# KiCad board Left.kicad_pcb (continued)
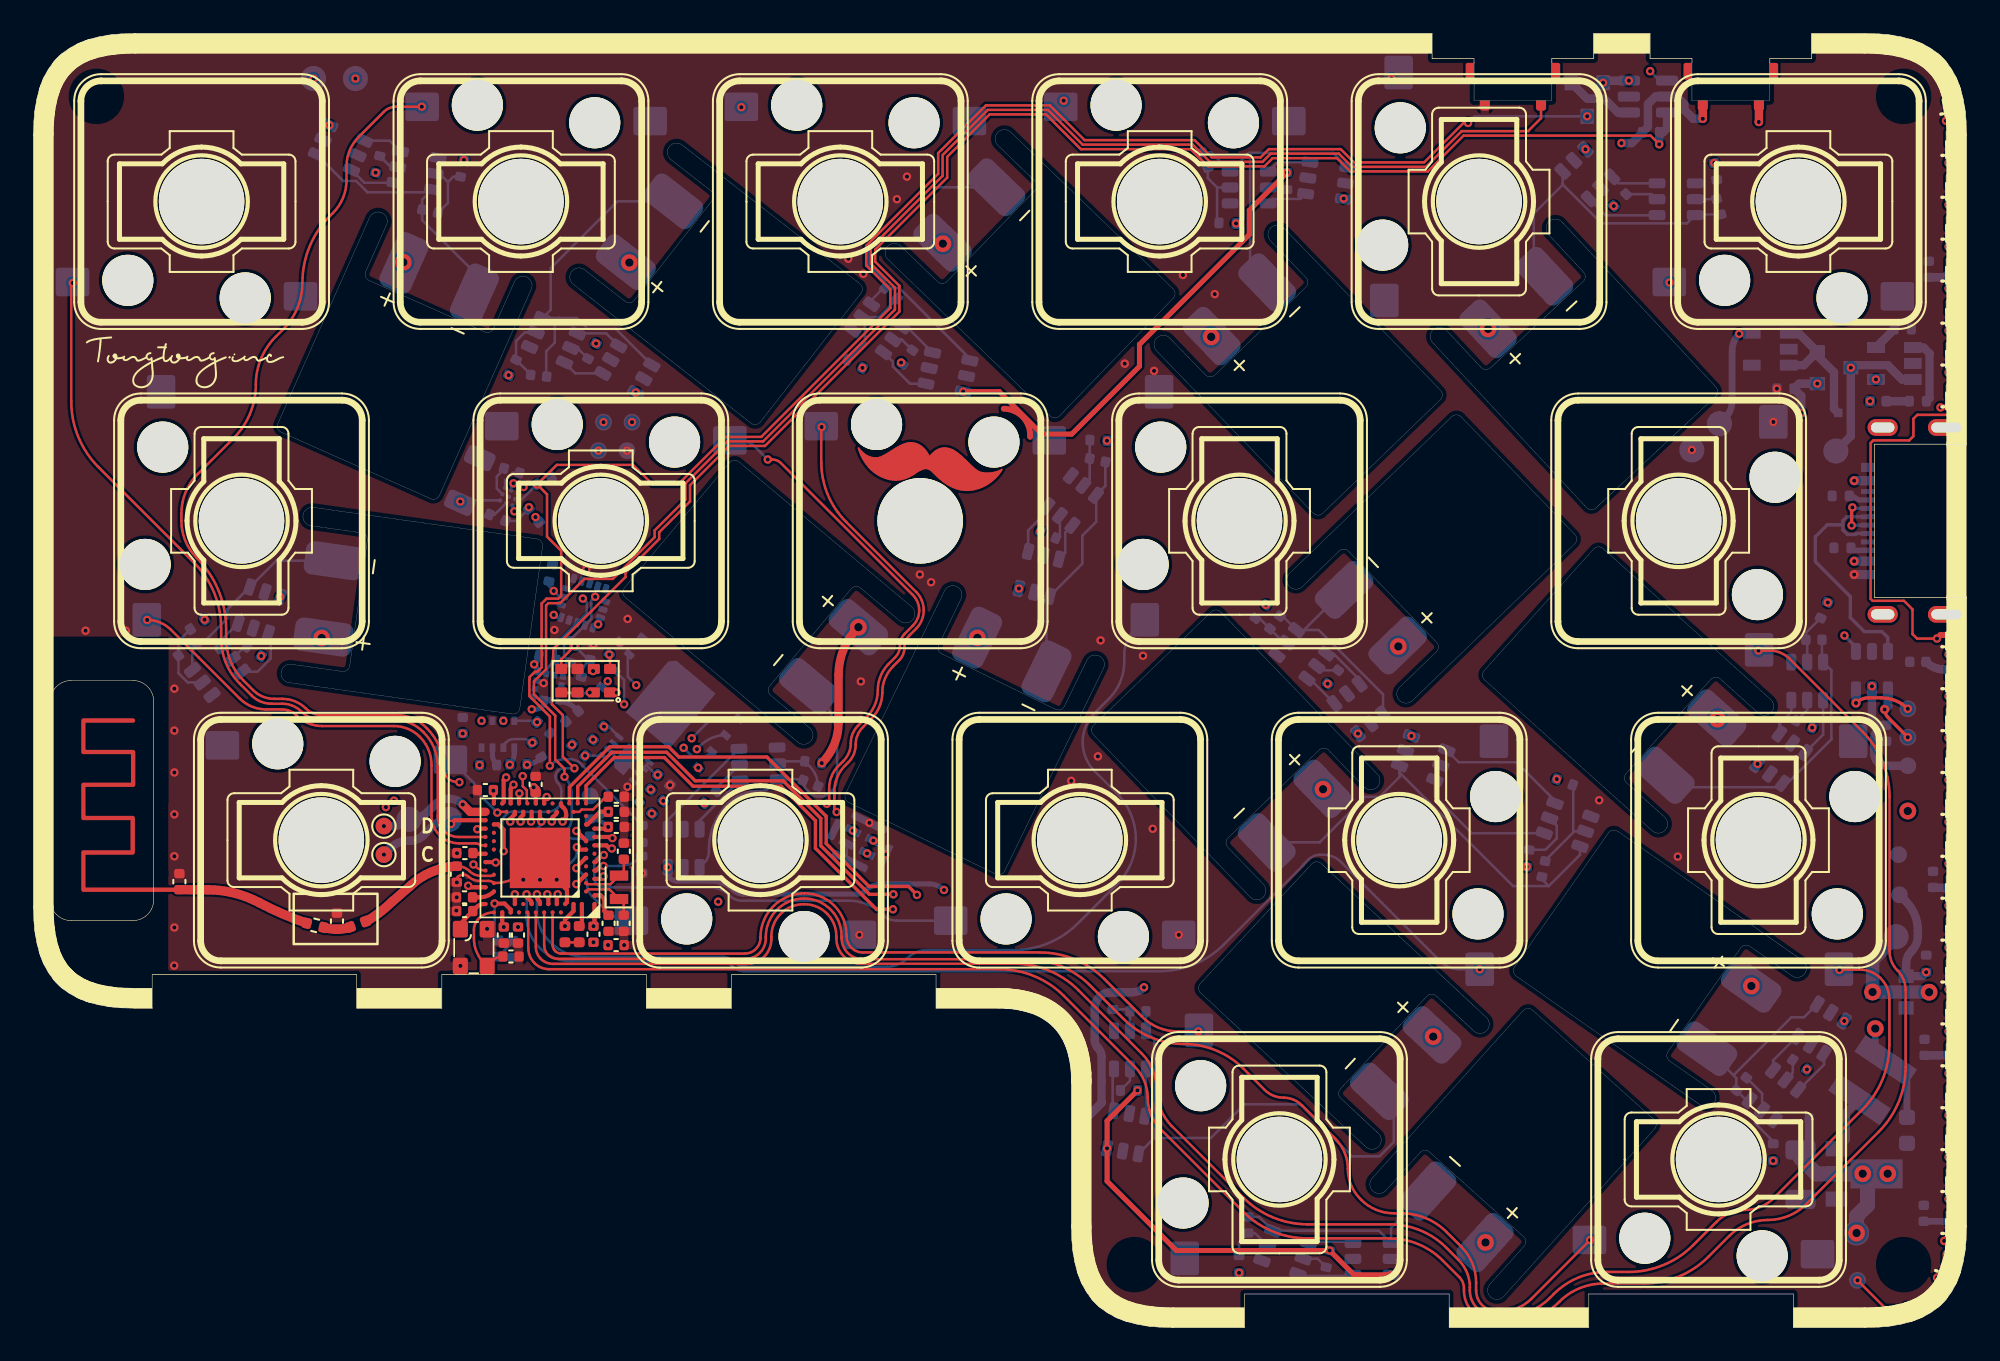
[diagram p0: board, top side]
## Routing (per net, layer and track width the routed paths; a pad name or vN(x,y) marks a point on that pad's centre or on a via; arc(x,y) is an arc through that point) (continued)
P1.13: length 130
  Top w0.15: v2(102.89,40.38) 103.57,40.38 arc(104.21,40.26) 104.74,39.9 109.12,35.53 arc(110.3,33.76) 110.71,31.68 110.71,22.45 arc(110.83,21.83) 111.19,21.29 arc(111.55,20.76) 111.67,20.13 111.67,15.54 arc(111.26,13.46) 110.08,11.69 105.75,7.37 arc(104.7,6.66) 103.45,6.41 arc(102.2,6.17) 101.15,5.46 99.9,4.22 arc(98.14,3.04) 96.06,2.62 93.65,2.62 arc(92.22,2.34) 91.01,1.53 90.99,1.51 arc(89.77,0.7) 88.34,0.41 87.1,0.41 arc(85.84,0.93) 85.32,2.19 85.32,2.34 arc(85.25,2.7) 85.05,3 84.06,4 arc(82.6,4.97) 80.88,5.31 76,5.31 arc(73.92,5.73) 72.16,6.91 67.23,11.83 arc(66.66,12.69) 66.46,13.69 arc(66.26,14.7) 65.69,15.55 61.46,19.78 arc(59.7,20.96) 57.62,21.37 30.77,21.37 arc(30.29,21.47) 29.88,21.74 arc(29.61,22.15) 29.51,22.63 29.51,24.68 arc(29.5,24.71) 29.49,24.74 U30.A16
P1.14: length 65.3
  Top w0.25: v2(29.41,25.84) 29.41,25.77 arc(29.42,25.7) 29.46,25.64 29.66,25.44 arc(29.7,25.39) 29.71,25.33 U30.B15
  Bottom w0.15: 85.66,21.37 85.02,21.37 arc(84.44,21.49) 83.94,21.82 77.99,27.77 arc(77.51,28.09) 76.95,28.2 76.74,28.2 arc(76.37,28.13) 76.04,27.91 75.76,27.63 arc(75.76,27.62) 75.75,27.61 arc(75.75,27.6) 75.75,27.59 71.01,22.85 arc(69.24,21.67) 67.16,21.26 42.39,21.26 arc(42.01,21.33) 41.68,21.55 arc(41.36,21.77) 40.97,21.84 32.11,21.84 arc(31.07,22.05) 30.2,22.63 arc(29.61,23.51) 29.41,24.54 v2(29.41,25.84)
  vias: v2(86.26,21.37)
P1.15: length 111.3
  Top w0.15: v2(107.72,21.33) 107.73,21.34 arc(107.74,21.35) 107.75,21.35 108.92,21.35 arc(109.6,21.22) 110.18,20.83 arc(110.56,20.26) 110.7,19.58 110.7,16.87 arc(110.29,14.79) 109.11,13.02 103.81,7.72 arc(103.02,7.2) 102.1,7.01 arc(101.18,6.83) 100.39,6.31 98.99,4.91 arc(97.23,3.73) 95.15,3.31 93.85,3.31 arc(92.14,2.97) 90.69,2.01 90.45,1.76 arc(89.28,0.98) 87.9,0.7 87.19,0.7 arc(86.12,1.15) 85.68,2.21 85.68,2.38 arc(85.68,2.39) 85.68,2.39 arc(85.5,3.28) 85,4.04 84.28,4.75 arc(82.73,5.79) 80.9,6.15 76.01,6.15 arc(73.93,6.57) 72.17,7.75 67.9,12.02 arc(67.23,13.01) 67,14.18 arc(66.77,15.35) 66.1,16.35 62.34,20.11 arc(60.58,21.29) 58.49,21.7 49.4,21.7 arc(48.33,22.15) 47.89,23.21 47.89,23.34 arc(47.33,24.69) 45.98,25.25 45.94,25.25 arc(44.58,24.69) 44.01,23.32 44.01,23.16 arc(43.58,22.12) 42.55,21.69 30.98,21.69 arc(30.59,21.77) 30.26,21.99 arc(30.04,22.33) 29.96,22.72 U30.A14
SCL: length 52.5
  Top w0.25: v2(32.38,29.62) 32.96,29.04 U30.T2
  In1.Cu w0.15: 26.98,31.39 26.98,31.37 arc(27.1,30.79) 27.43,30.29 27.52,30.2 arc(28.16,29.77) 28.91,29.62 v2(32.38,29.62) arc(33.14,30.13) 34.05,30.31 34.16,30.31 arc(35.04,30.49) 35.79,30.99 v2(36.13,31.33) ; 26.98,31.39 26.98,32.08 arc(27.02,32.25) 27.11,32.38 28.22,33.5 arc(28.31,33.55) v2(28.41,33.57) 28.44,33.6 arc(28.98,33.96) 29.63,34.09 31.68,34.09 arc(32.15,34) 32.55,33.73 arc(32.69,33.64) 32.86,33.6 32.9,33.6 arc(33.05,33.63) 33.17,33.72 33.23,33.77 arc(33.82,34.66) 34.03,35.7 v2(34.03,35.85) 34.01,35.87 34.01,38.17 33.38,38.8 v2(33.38,39.16) ; 26.98,31.39 26.99,31.38
  In2.Cu w0.15: 30.38,49.04 30.12,49.29 arc(29.82,49.49) 29.46,49.56 29.22,49.56 arc(28.99,49.61) 28.8,49.74 arc(28.67,49.93) 28.63,50.15 v2(28.63,50.36) ; 30.38,49.04 30.71,48.71 arc(30.85,48.49) 30.9,48.24 30.9,48.11 arc(31.11,47.07) 31.69,46.2 32.17,45.72 arc(32.34,45.46) 32.4,45.16 arc(32.49,44.73) 32.73,44.37 v2(33.5,43.6) 33.5,42.9 arc(33.45,42.64) 33.3,42.41 arc(32.95,41.89) 32.83,41.27 32.83,40.49 arc(32.97,39.77) v2(33.38,39.16) ; 30.38,49.04 arc(30.43,49.34) 30.6,49.59 33.06,52.05 arc(33.35,52.24) v2(33.7,52.31)
  Bottom w0.15: v2(33.5,43.6) 33.27,43.36 33.27,42.27 U34.2 32.17,41.16 31.92,41.16 31.65,40.89 31.65,40.05 R55.1 31.87,39.51 arc(31.66,39.19) U40.1 ; v2(34.03,35.85) 34.32,35.85 U36.4 ; U31.A2 28.5,50.23 v2(28.63,50.36)
  Bottom w0.3: U35.4 28.67,34.24 arc(28.61,33.9) R49.1
SDA: length 59.8
  Top w0.15: v2(34.78,37.88) 34.41,37.88
  Top w0.25: v2(34.53,29.2) 34.46,29.26 U30.U1
  In1.Cu w0.15: v2(36.88,30.66) 36.05,29.82 arc(35.35,29.36) v2(34.53,29.2) 34.51,29.18 29.32,29.18 arc(28.23,29.39) 27.31,30.01 27.25,30.07 arc(26.84,30.68) 26.7,31.4 26.7,32.09 arc(26.76,32.38) 26.92,32.62 27.86,33.56 arc(27.9,33.62) 27.91,33.68 arc(27.93,33.77) 27.97,33.84 28.52,34.38 arc(29.08,34.76) v2(29.75,34.89) 30.01,34.89 arc(31.05,35.1) 31.94,35.69 ; 31.94,35.69 32.46,35.17 arc(32.79,34.69) v2(32.9,34.11) ; 31.94,35.69 arc(32.38,36.35) 32.53,37.12 32.53,38.83 arc(32.58,39.09) 32.73,39.31 ; v2(34.78,37.88) 34.78,38.36 arc(34.7,38.78) 34.46,39.14 34.33,39.28 arc(33.89,39.57) 33.37,39.67 arc(33.11,39.62) 32.89,39.48 32.73,39.31 ; 32.73,39.31 arc(32.85,39.49) 32.89,39.7 32.89,43.19 arc(32.86,43.35) v2(32.77,43.49)
  In2.Cu w0.15: v2(32.77,43.49) 32.69,43.56 arc(32.22,44.28) 32.05,45.11 arc(32.01,45.32) 31.89,45.5 31.02,46.37 arc(30.78,46.72) 30.7,47.14 arc(30.68,47.23) 30.63,47.31 30.35,47.59 arc(30.24,47.66) 30.11,47.69 30.01,47.69 arc(29.7,47.75) 29.44,47.92 28.69,48.68 arc(28.68,48.68) v2(28.68,48.69) 28.38,48.99 arc(28.06,49.47) 27.95,50.04 27.95,50.23 arc(28.01,50.56) 28.2,50.84 arc(28.45,51.01) 28.74,51.06 30.07,51.06 arc(31.35,51.32) 32.42,52.04 33.72,53.33 arc(33.93,53.64) v2(34,54.01)
  Bottom w0.15: U31.C1 28.57,48.8 v2(28.68,48.69) ; R51.1 29.75,34.9 arc(29.52,35.05) 29.25,35.1 28.61,35.1 arc(28.41,35.06) 28.23,34.94 28.13,34.84 arc(28.05,34.73) U35.3 ; v2(32.9,34.11) 33.92,34.11 arc(33.95,34.11) U36.1 ; v2(32.77,43.49) 33,43.26 33,42.63 U34.3 31.14,40.77 R56.1 30.78,39.47 arc(30.64,39.26) U40.11
Net-(AE1-Pad1): length 16.4
  Top w0.15: 8.73,26.09 11.41,26.09 11.64,25.86 12.68,25.86 13.19,25.35 13.61,25.35 13.95,25.01 14.28,25.01 14.72,24.57 15.54,24.57 16,24.12 R39.2
  Top w0.556: 8.67,26.12 10.4,26.11 arc(11.97,25.92) 13.45,25.35 arc(14.85,24.68) R39.2
Net-(C1-Pad1): length 2.4
  Bottom w0.15: Q11.5 100.38,67.31 ; R11.2 100.4,67.34
Net-(C2-Pad1): length 3.7
  Bottom w0.15: C2.1 24.72,67.09 24.72,68.34 ; 24.72,68.34 25.03,68.65 R12.2 ; 24.72,68.34 24.23,68.84
Net-(C3-Pad1): length 5.4
  Bottom w0.15: R13.2 49.6,58.78 49.6,60.11 ; Q13.5 50.4,60.28 C3.1
Net-(C4-Pad1): length 2.2
  Bottom w0.15: Q14.5 C4.1 arc(65.37,18.94) 65.29,18.97 R14.2
Net-(C5-Pad1): length 2
  Bottom w0.15: 73.13,42.31 C5.1 74.58,40.86
Net-(C6-Pad1): length 4.2
  Bottom w0.15: 70.6,68.01 70.04,68.57 C6.1 ; 70.6,68.01 70.6,66.01 ; 70.6,68.01 Q16.5
Net-(C7-Pad1): length 2.9
  Bottom w0.15: R17.2 105.72,41.45 C7.1 ; Q17.5 105.8,40.95
Net-(C8-Pad1): length 5.9
  Bottom w0.15: Q18.5 91.91,29.6 91.84,29.53 ; 90.17,27.86 91.84,29.53 ; 91.84,29.53 91.84,32.35
Net-(C9-Pad1): length 2.9
  Bottom w0.15: Q23.5 63,50.61 C9.1 63,52.93
Net-(C10-Pad1): length 4.8
  Bottom w0.15: C10.1 103.11,13.96 Q24.5 102.69,12.56 102.69,12.18 103.77,11.1
Net-(C11-Pad1): length 3
  Bottom w0.15: R25.2 71.91,5.08 C11.1 72.85,5.63 Q25.5
Net-(C12-Pad1): length 3.8
  Bottom w0.15: Q26.5 29.3,59.37 28.78,58.85 R26.2 29.65,56.86
Net-(C13-Pad1): length 4.6
  Bottom w0.15: R30.2 8.65,40.95 C13.1 8.65,39.04 9.2,38.48 Q30.5
Net-(C14-Pad1): length 3.4
  Bottom w0.15: Q31.5 arc(44.52,33.74) 44.69,33.78 R31.2 46.3,33.48 arc(46.67,32.93) C14.1
Net-(C22-Pad1): length 3.3
  Top w0.15: U30.D2 33.09,26.14 34.35,26.14 X1.1 35.2,25.29 C22.1
Net-(C23-Pad1): length 3.3
  Top w0.15: C23.1 35.21,27.25 X1.2 34.41,26.44 33.03,26.44 U30.F2
Net-(C26-Pad2): length 1.8
  Top w0.25: U30.C1 33.48,25.78 33.83,25.78 34.05,25.56 34.05,24.84 C26.2
Net-(C27-Pad2): length 2.3
  Top w0.15: U30.AC5 32.56,30.76 32.7,30.9 33.38,30.9 34.14,31.66
Net-(C29-Pad1): length 12.6
  Top w0.25: U30.E24 26.02,26.26 v2(25.93,26.35) ; U30.B5 32.21,24.84 31.7,24.33 v2(31.7,23.95)
  In1.Cu w0.15: v2(25.93,26.35) 26.37,26.35 arc(27.16,26.2) 27.84,25.74 28.34,25.24 arc(28.75,24.62) v2(28.9,23.89) 31.57,23.89 arc(31.64,23.91) v2(31.7,23.95) arc(32.25,23.58) 32.9,23.45 33.43,23.45 arc(33.61,23.42) 33.77,23.31 v2(34.27,22.81)
Net-(C34-Pad2): length 0.8
  Top w0.25: C34.2 26.25,28.26 U30.N24
Net-(C35-Pad2): length 15.8
  Top w0.15: L3.1 19.97,24.23 20.32,24.58 20.47,24.58 20.63,24.74 20.63,24.76 20.78,24.91 20.87,24.91 21.01,25.05 21.01,25.06 21.15,25.2 21.2,25.2 21.44,25.44 21.44,25.45 21.92,25.93 22.03,25.93 22.69,26.59 22.82,26.59 23.06,26.83 23.06,26.84 23.16,26.94 23.4,26.94 23.65,27.19 23.93,27.19 24.06,27.32 24.46,27.32 24.66,27.52 C35.2 25.29,27.52 arc(25.68,27.45) 26.01,27.22 arc(26.32,27.02) 26.69,26.94 27.29,26.94 arc(27.38,26.96) U30.H23
  Top w0.556: 19.81,24.21 arc(20.65,24.76) 21.4,25.41 22.45,26.32 arc(23.75,27.19) 25.28,27.52
Net-(C36-Pad2): length 5.3
  Top w0.15: U30.A23 27.46,24.76 arc(26.96,24.66) 26.54,24.38 arc(26.34,24.08) 26.27,23.73 26.27,23.2 arc(26.43,22.42) 26.87,21.75 X2.3 27.37,21.87 arc(27.66,22.07) C36.2
Net-(C37-Pad2): length 2.3
  Top w0.25: U30.B24 26.85,25.26 arc(26.64,25.22) 26.46,25.1 C37.2 25.7,24.34 arc(25.52,24.08) X2.1
Net-(C38-Pad1): length 1.4
  Top w0.25: C38.1 26.62,25.66 arc(27.07,25.75) U30.D23
Net-(C39-Pad2): length 3.1
  Top w0.15: R39.1 18.04,23.87 ; 18.81,23.81 18.1,23.81
  Top w0.556: 18.9,23.87 arc(18.1,23.76) R39.1
Net-(C41-Pad2): length 1.9
  Bottom w0.15: U31.B3 27.63,50.06 27.63,50.77 28.1,51.24
Net-(C49-Pad1): length 1.3
  Bottom w0.3: C49.1 32.35,36.92 arc(31.88,37.23) U40.4
Net-(D1-Pad1): length 8.1
  Bottom w0.5: 106.4,57.98 107.4,56.98 107.4,54.81 D1.1 ; U1.3 105.6,57.41 Q1.2 105.3,59.31 U1.1
Net-(D2-Pad1): length 1.2
  Bottom w0.15: 28.59,23.01 D2.1
Net-(D2-Pad2): length 3.6
  Top w0.25: U30.A20 28.46,24.93 28.1,25.29 v2(27.5,25.29)
  Bottom w0.15: v2(27.5,25.29) 27.5,23.31 D2.2
Net-(D3-Pad2): length 3.5
  Bottom w0.5: U32.3 108.09,11.21 D3.2 108.09,12.78 L4.2
Net-(D4-Pad1): length 1.4
  Bottom w0.5: R44.1 D4.1
Net-(J1-PadA6): length 14.9
  Bottom w0.2: 107.93,47.88 107.93,47.58 108.2,47.31 108.67,47.31 108.73,47.37 J1.B6 ; 107.93,47.88 106.99,47.88 106.29,47.18 106.29,45.69 108.37,43.61 108.37,42.35 109.21,41.51 110.26,41.51 110.61,41.16 U28.3 ; 107.93,47.88 107.93,48.13 108.17,48.37 J1.A6
Net-(J1-PadA7): length 11.1
  Top w0.2: v2(108.49,48.93) 108.45,48.88 v2(108.45,47.85)
  In1.Cu w0.2: v2(108.45,47.85) 108.17,47.57 arc(107.82,47.04) 107.69,46.41 107.69,45.3 arc(107.8,44.75) 108.11,44.28 arc(108.38,43.87) 108.48,43.39 108.48,42.39 arc(108.36,41.79) v2(108.02,41.28)
  Bottom w0.2: J1.A7 108.47,47.87 v2(108.45,47.85) ; 108.71,40.59 v2(108.02,41.28) ; v2(108.49,48.93) 108.55,48.87 J1.B7
Net-(JP1-Pad1): length 102.1
  Top w0.15: 89.92,72.9 89.92,72.15 89.15,71.38 85.19,71.38 83.06,69.24 78.65,69.24 77.86,70.03 73.8,70.03 73.31,69.54 70.17,69.54 69.15,70.57 62.59,70.57 60.51,72.64 56.92,72.64 54.23,69.95 54.23,68.72 49.94,64.43 49.94,63.47 51.38,62.03 51.38,60.73 43.52,52.86 41.39,52.86 38.89,50.36 38.89,49.4 37.05,47.55 37.05,47.15 34.56,44.66 32.86,44.66 31.41,43.21 30.71,43.21 30.57,43.08 30.57,39.27 29.85,38.54 29.85,37.78 31.12,36.51 31.12,33.88 31.67,33.33 v2(31.67,32.85)
  Bottom w0.15: JP1.1 31.36,29.56 arc(31.55,29.52) 31.72,29.41 31.77,29.36 arc(32,29.21) 32.27,29.15 32.79,29.15 arc(33.01,29.2) R35.1 ; JP1.1 30.67,29.56 arc(30.5,29.53) 30.36,29.44 arc(30.24,29.26) 30.2,29.04 30.2,28.15 arc(30.16,27.94) 30.04,27.76 arc(29.87,27.65) 29.68,27.61 JP2.2 ; JP1.1 31.69,29.56 31.84,29.71 arc(32.03,30) 32.1,30.34 32.1,31.82 arc(31.99,32.38) v2(31.67,32.85)
Net-(JP1-Pad2): length 2
  Top w0.25: v2(32.41,28.65) 32.55,28.51 U30.P2
  Bottom w0.15: v2(32.41,28.65) 32.41,28.36 arc(32.36,28.1) 32.21,27.89 32.07,27.74 arc(31.93,27.65) JP1.2
Net-(JP2-Pad1): length 2.6
  Top w0.25: v2(30.29,30.18) 30.21,30.27 U30.AC13
  Bottom w0.15: JP2.1 29.43,29.56 arc(29.83,29.64) 30.16,29.87 arc(30.26,30.01) v2(30.29,30.18)
Net-(L1-Pad2): length 0.8
  Top w0.15: L2.1 L1.2
Net-(L2-Pad2): length 1.4
  Top w0.25: L2.2 32.71,24.11 U30.B3
Net-(Q2-Pad1): length 4.2
  Bottom w0.5: 95.16,72.49 94.51,72.49 93.69,73.31 92.68,73.31 91.72,74.26
Net-(Q10-Pad4): length 7.7
  Bottom w0.15: Q10.4 85.02,33.72 88.46,33.72 90.76,31.43
Net-(Q10-Pad6): length 8.4
  Bottom w0.15: Q10.6 83.59,31.69 85.79,29.49 Q18.1
Net-(Q11-Pad1): length 4.5
  Bottom w0.15: 96.83,66.35 93.77,66.35 Q3.6
Net-(Q11-Pad2): length 2
  Bottom w0.15: Q11.2 96.54,67.62 R3.2
Net-(Q11-Pad3): length 2.9
  Bottom w0.15: Q3.4 94.55,68.26 Q11.3
Net-(Q12-Pad1): length 2.9
  Bottom w0.15: Q4.6 19.74,68.3 Q12.1
Net-(Q12-Pad2): length 0.9
  Bottom w0.15: 21.31,69.23 R4.2
Net-(Q12-Pad3): length 2.4
  Bottom w0.15: Q12.3 21.25,70.81 Q4.4
Net-(Q13-Pad1): length 2.2
  Bottom w0.15: 52.08,59.71 Q5.6
Net-(Q13-Pad2): length 1.4
  Bottom w0.15: Q13.2 51.79,58.94 R5.2
Net-(Q13-Pad3): length 3.5
  Bottom w0.15: Q13.3 51.26,57.62 51.26,57.33 52.28,56.31 Q5.4
Net-(Q14-Pad1): length 2.8
  Bottom w0.15: 66.35,12.65 Q14.1
Net-(Q14-Pad2): length 1.5
  Bottom w0.15: R6.2 65.4,14.71 Q14.2
Net-(Q14-Pad3): length 2.3
  Bottom w0.15: 64.37,15.34 64.37,13
Net-(Q15-Pad1): length 2.6
  Bottom w0.15: 79.1,38.64 77.53,40.21 Q15.1
Net-(Q15-Pad2): length 1
  Bottom w0.15: R7.2 76.8,39.21
Net-(Q15-Pad3): length 2.1
  Bottom w0.15: 76.11,38.71 Q7.4
Net-(Q16-Pad1): length 2.7
  Bottom w0.15: Q8.6 74.21,69.52 Q16.1
Net-(Q16-Pad2): length 1
  Bottom w0.15: Q16.2 74.64,68.01
Net-(Q16-Pad3): length 2.5
  Bottom w0.15: Q8.4 75.57,67.33 73.92,67.33 Q16.3
Net-(Q17-Pad1): length 3.6
  Bottom w0.15: Q17.1 106.75,35.38 Q9.6
Net-(Q17-Pad2): length 1.5
  Bottom w0.15: R9.2 105.8,36.84 Q17.2
Net-(Q17-Pad3): length 2.3
  Bottom w0.15: Q17.3 104.85,36.71 104.14,36 Q9.4
Net-(Q18-Pad2): length 3.3
  Bottom w0.15: R10.2 90.18,28.5 90.86,29.18 90.86,29.95 Q18.2
Net-(Q19-Pad4): length 2.9
  Bottom w0.15: Q19.4 59.33,47.56 60.48,48.71
Net-(Q19-Pad6): length 2.4
  Bottom w0.15: Q19.6 61.54,46.21 61.54,47.42 Q23.1
Net-(Q20-Pad4): length 2.8
  Bottom w0.15: 105.3,14.19 106.8,15.69 Q20.4
Net-(Q20-Pad6): length 2.6
  Bottom w0.15: Q24.1 103.76,15.93 Q20.6
Net-(Q21-Pad4): length 3.1
  Bottom w0.15: 75.55,3.07 78.63,3.07
Net-(Q21-Pad6): length 2.5
  Bottom w0.15: 76.18,5.11 78.63,5.11
Net-(Q22-Pad4): length 2.6
  Bottom w0.15: Q26.3 32.32,56.92 Q22.4
Net-(Q22-Pad6): length 2.8
  Bottom w0.15: Q26.1 34.16,59.31 Q22.6
Net-(Q23-Pad2): length 1.4
  Bottom w0.15: Q23.2 61.22,47.33 R19.2
Net-(Q24-Pad2): length 1.4
  Bottom w0.15: Q24.2 104.94,15.2 R20.2
Net-(Q25-Pad2): length 1.6
  Bottom w0.15: Q25.2 76.59,4.1 R21.2
Net-(Q26-Pad2): length 0.9
  Bottom w0.15: 32.44,58.44 R22.2
Net-(Q27-Pad4): length 3.4
  Bottom w0.15: Q30.3 13.37,39.14 14.15,39.91 14.15,41.29
Net-(Q27-Pad6): length 1.8
  Bottom w0.15: Q30.1 11.27,41.08 Q27.6
Net-(Q28-Pad4): length 6.6
  Bottom w0.15: Q31.3 37.83,30.27 Q28.4
Net-(Q28-Pad6): length 3.9
  Bottom w0.15: 42.12,32.62 39.73,30.23 Q28.6
Net-(Q30-Pad2): length 1
  Bottom w0.15: 12.58,40.6 Q30.2
Net-(Q31-Pad2): length 2.1
  Bottom w0.15: Q31.2 40.9,32.36 arc(40.79,32.19) R28.2
Net-(R43-Pad1): length 3.5
  In1.Cu w0.3: v2(29.55,48.94) 29.55,49.38 arc(29.46,49.79) v2(29.23,50.14)
  Bottom w0.15: TH1.1 28.81,48.12 R43.1 ; 28.87,49.78 v2(29.23,50.14)
Net-(R43-Pad2): length 1.3
  Bottom w0.15: U31.C2 27.51,48.5 R43.2
Net-(R44-Pad2): length 3.9
  Bottom w0.5: 112.31,58.46 112.75,58.46 113.1,58.11 113.1,55.45 R44.2
Net-(R45-Pad1): length 1.5
  Bottom w0.5: U33.5 110.99,59.55
Net-(U2-Pad3): length 10.6
  Top w0.5: 102.92,72.9 102.92,71.93 v2(102.91,71.92)
  In1.Cu w0.5: v2(96.43,74.95) 96.43,74.69 arc(96.67,73.5) 97.34,72.49 97.38,72.45 arc(98.72,71.56) 100.3,71.24 101.27,71.24 arc(102.16,71.42) v2(102.91,71.92)
  Bottom w0.15: 97,74.39 v2(96.43,74.95)
Net-(U4-Pad4): length 2.2
  Top w0.35: U5.1 114.23,71.31 114.86,71.93 U4.4
Net-(U5-Pad4): length 2.1
  Top w0.35: U6.1 114.23,68.68 114.93,69.38 U5.4
Net-(U6-Pad4): length 2.1
  Top w0.35: U6.4 114.93,66.88 114.23,66.18 U7.1
Net-(U7-Pad4): length 2.1
  Top w0.35: U7.4 114.93,64.38 114.23,63.68 U8.1
Net-(U8-Pad4): length 2.1
  Top w0.35: 114.23,60.63 114.23,61.18 114.93,61.88 U8.4
Net-(U10-Pad1): length 2.1
  Top w0.35: U9.4 114.93,59.38 114.23,58.68 U10.1
Net-(U10-Pad4): length 2.1
  Top w0.35: 114.23,55.62 114.23,56.18 114.93,56.88 U10.4
Net-(U11-Pad4): length 22.7
  Top w0.15: U11.4 114.45,54.45 112.37,54.45 112.13,54.21 112.13,53.17 111.88,52.92 109.74,52.92 109.58,52.76 109.58,43.47 109.7,43.35 111.57,43.35 112.08,42.84 112.08,41.37 112.35,41.1 v2(113.54,41.1)
  Top w0.35: U12.1 113.75,41.31 v2(113.54,41.1)
Net-(U12-Pad4): length 2.1
  Top w0.35: U12.4 114.93,40.07 114.23,39.37 U13.1
Net-(U13-Pad4): length 2.1
  Top w0.35: U13.4 114.93,37.57 114.23,36.87 U14.1
Net-(U14-Pad4): length 2.1
  Top w0.35: U15.1 114.23,34.37 114.93,35.07 U14.4
Net-(U15-Pad4): length 2.1
  Top w0.35: U15.4 114.93,32.57 114.23,31.87 U16.1
Net-(U16-Pad4): length 2.1
  Top w0.35: U17.1 114.23,29.37 114.93,30.07 U16.4
Net-(U17-Pad4): length 2.1
  Top w0.35: U18.1 114.23,26.87 114.93,27.57 U17.4
Net-(U18-Pad4): length 2.1
  Top w0.35: U18.4 114.93,25.07 114.23,24.37 U19.1
Net-(U19-Pad4): length 2.1
  Top w0.35: U20.1 114.23,21.87 114.93,22.57 U19.4
Net-(U20-Pad4): length 2.1
  Top w0.35: U21.1 114.23,19.37 114.93,20.07 U20.4
Net-(U21-Pad4): length 2.1
  Top w0.35: U21.4 114.93,17.57 114.23,16.87 U22.1
Net-(U22-Pad4): length 2.1
  Top w0.35: U23.1 114.23,14.37 114.93,15.07 U22.4
Net-(U23-Pad4): length 2.1
  Top w0.35: U24.1 114.23,11.87 114.93,12.57 U23.4
Net-(U24-Pad4): length 2.1
  Top w0.35: U24.4 114.93,10.07 114.23,9.37 U25.1
Net-(U25-Pad4): length 2.1
  Top w0.35: U26.1 114.23,6.87 114.93,7.57 U25.4
Net-(U26-Pad4): length 2
  Top w0.35: U26.4 114.93,5.28 114.06,4.4 U27.1
Net-(U37-Pad3): length 1
  Top w0.15: 31.48,37.86 32.45,37.86

## Copper pours and planes (outline as drawn; the poured copper is in the pictures)
GND on Top: -1,31.28 24.87,31.28 24.87,18.21 -1,18.21
GND on Top: 116,-1.09 57.85,-1.09 57.85,18.21 -1,18.21 -1,77.91 116,77.91
GND on Bottom: 116,-1.09 58,-1.09 58,18.21 -1,18.21 -1,77.91 116,77.91
GND on In1.Cu: 111,-0.79 58,-0.79 58,18.21 -1,18.21 -1,78.21 111,78.21
VBUS on In2.Cu: 111,37.21 102,37.21 102,65.21 111,65.21
/BAROMETRIC/NRF_VDD on In2.Cu: 44,37.21 53,37.21 53,18.21 22,18.21 22,46.21 44,46.21
/LEDLane/Led_Ground on In1.Cu: 116.48,-0.46 112.58,-0.46 112.6,77.71 116.55,77.71
/LEDLane/Led_Vin on In2.Cu: 116.48,-0.46 112.58,-0.46 112.6,77.71 116.55,77.71
B+ on In2.Cu: 111,66.21 100.88,66.21 101,36.21 111,36.21 111,-0.79 58,-0.79 58,18.21 54,18.21 54,38.21 45,38.21 45,47.21 21,47.21 21,18.21 -1,18.21 -1,78.21 111,78.21

Small or netless copper shapes (teardrops, artwork), in the pictures only: 1 on Top

## Text on the board
B.Silkscreen: D- | D+ | BG | B+ | C|D | -SWD- | R|G | G | 3V | VB | DIN | 5V | VBUS | EN | LG
F.Silkscreen: D | C
